# Allegro board LAUNCHXL-CC2640R2.brd (continued)
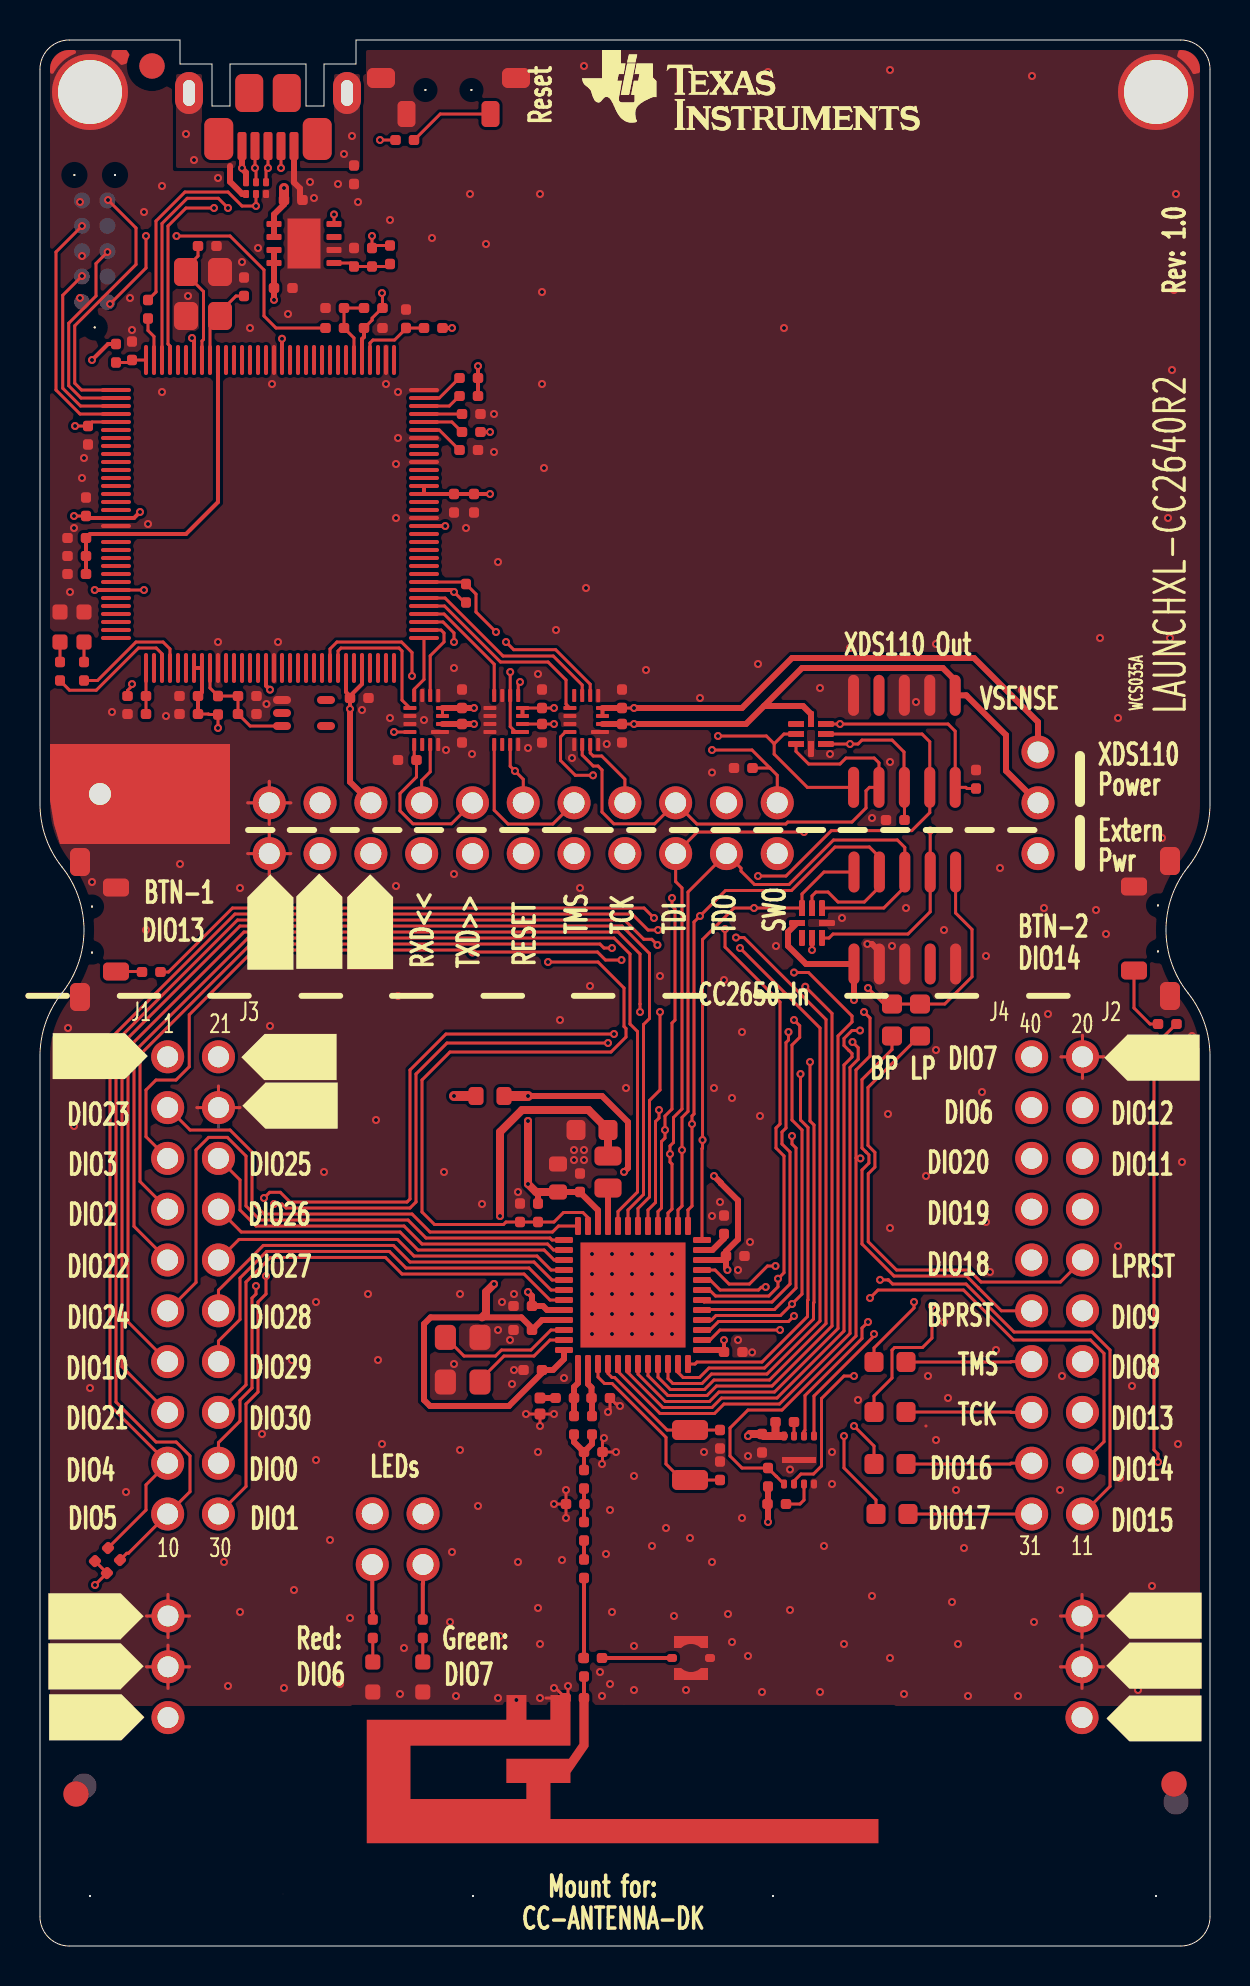
[diagram p0: board, top side]
## Nets
+5V: J1.2 P2.1 P4.20
GND: A1.2(GND_2) A1.3(GND_3) C3.2 C4.2 C5.2 C6.2 C7.2 C8.2 C9.2 C12.2 C13.1 C15.2 C16.2 C17.2 C18.2 C19.2 C20.2 C21.1 C30.2 C31.2 C32.2 C33.2 C34.2 C35.2 C36.2 C37.2 C38.2 C39.2 C40.2 C41.2 C42.2 C43.2 C44.2 C45.2 C46.2 C48.2 C49.2 C50.2 C52.2 C53.2 C54.2 C55.2 C56.2 C57.2 C59.2 CR1.1(C) CR2.1(C) CR4.1(C) CR5.1(C) CR6.3 CR7.4(GND) CR8.4(GND) J1.4 J2.2 J6.5(GND) MH3.1 MH4.1 MH5.1 P1.2 P1.3 P2.2 P2.3 P4.21 P4.22 P5.3 P5.5 P5.9 P7.3 P7.5 P7.9 P8.3(7) P8.5(8) P8.9(10) P11.2 P11.M1 P11.M2 R21.2 R24.2 R28.1 R29.2 R32.1 R34.1 R61.1 R62.1 R63.1 R65.1 SW1.1 SW1.2 SW1.3 SW2.1 SW2.2 SW2.4 SW3.1 SW3.2 SW3.4 U1.49(EGP/GND) U4.4(GND) U4.9(EGP) U5.10(GNDA) U5.17(GND#17) U5.48(GND#48) U5.55(GND#55) U5.58(GND#58) U5.64(NWAKE) U5.66(XOSC0) U5.80(GND#80) U5.114(GND#114) U6.1(ANODE) U7.6(GND) U7.9(GND/TAB) U8.1(1NOE) U8.5(2DIR) U8.7(1A2) U8.10(GND#10) U8.11(GND#11) U8.16(2NOE) U9.1(1NOE) U9.5(2DIR) U9.10(GND#10) U9.11(GND#11) U9.13(2B1) U9.16(2NOE) U10.7(1A2) U10.9(2A2) U10.10(GND#10) U10.11(GND#11) U10.12(2B2) U10.16(2NOE) Y2.2 Y2.4 Y3.2(GND) Y3.4(NC_4)
VDDC: C43.1 C44.1 C45.1 U5.87(VDDC#87) U5.115(VDDC#115)
VDDR: C8.1 C9.1 C16.1 L1.2 U1.45(VDDR) U1.48(VDDR_RF)
VDDS: C3.1 C4.1 C5.1 C6.1 C7.1 FL1.1 R1.2 U1.13(VDDS2) U1.22(VDDS3) U1.34(VDDS_DCDC) U1.44(VDDS)
BP_RESET: J2.11 R52.2
DCDC_SW: L1.1 U1.33(DCDC_SW)
DIO0: J1.18 U1.5(DIO_0)
DIO1: J1.20 U1.6(DIO_1)
DIO4_SCL: J1.17 R2.1 U1.9(DIO_4)
DIO5_SDA: J1.19 R3.1 U1.10(DIO_5)
DIO6_RLED: J2.3 P6.2 U1.11(DIO_6)
DIO7_GLED: J2.1 P6.4 U1.12(DIO_7)
DIO8_MISO: J2.14 U1.14(DIO_8) U4.2(SO/SIO1)
DIO9_MOSI: J2.12 U1.15(DIO_9) U4.5(SI/SIO0)
DIO10_SCLK: J1.13 U1.16(DIO_10) U4.6(SCLK)
DIO11_CS: J2.6 U1.17(DIO_11)
DIO12: J2.4 U1.18(DIO_12)
DIO13_BTN1: J2.16 R56.2 U1.19(DIO_13)
DIO14_BTN2: J2.18 R55.2 U1.20(DIO_14)
DIO15: J2.20 U1.21(DIO_15)
DIO16_TDO: CR8.5(IO4) P4.4 P5.6 R48.2 U1.26(DIO_16)
DIO17_TDI: CR8.3(IO3) P4.6 P5.8 R49.2 U1.27(DIO_17)
DIO19_CTS: J2.7 U1.29(DIO_19)
DIO20_FLASH_CS: J2.5 R11.1 U1.30(DIO_20) U4.1(NCS)
DIO21: J1.15 U1.31(DIO_21)
DIO22: J1.9 U1.32(DIO_22)
DIO23_ANALOG: J1.3 U1.36(DIO_23)
DIO24_ANALOG: J1.11 U1.37(DIO_24)
DIO25_ANALOG: J1.6 U1.38(DIO_25)
DIO26_ANALOG: J1.8 U1.39(DIO_26)
DIO27_ANALOG: J1.10 U1.40(DIO_27)
DIO28_ANALOG: J1.12 U1.41(DIO_28)
DIO29_ANALOG: J1.14 U1.42(DIO_29)
DIO30_ANALOG: J1.16 U1.43(DIO_30)
IRSTN: P8.10(5) R20.2
ITCK: P8.4(2) U5.100(PC0/TCK/SWCLK)
ITDI: P8.8(4) U5.98(PC2/TDI)
ITDO: P8.6(3) U5.97(PC3/TDO/SWO)
ITMS: P8.2(1) U5.99(PC1/TMS/SWDIO)
LP_RESET: J2.10 R51.1
USB_DM: CR6.5 J6.2(D-) U5.93(PL7/USB0DM)
USB_DP: CR6.4 J6.3(D+) U5.94(PL6/USB0DP)
USB_ID: CR6.2 J6.4(ID) R67.1
USB_VBUS: C48.1 CR6.6 J6.1(VCC) P4.19 R22.2 R66.1 U7.1(IN#1) U7.2(IN#2) U7.8(EN)
V-SENSE: C53.1 C55.1 C57.1 CR7.8(VCC) P7.1 P10.2 U8.2(VCCB) U9.2(VCCB) U10.2(VCCB)
WMCU_RESET: C20.1 CR8.2(IO2) P4.12 P5.10 R1.1 R51.2 R52.1 U1.35(RESET_N)
WMCU_RXD: J1.7 P4.16 U1.7(DIO_2)
WMCU_SWO: J2.9 P4.2 U1.28(DIO_18)
WMCU_TCK: CR8.6(IO5) P4.8 P5.4 R47.2 U1.25(JTAG_TCKC)
WMCU_TMS: CR8.7(IO6) P4.10 P5.2 R46.2 U1.24(JTAG_TMSC)
WMCU_TXD: J1.5 P4.14 U1.8(DIO_3)
WMCU_VDD: C30.1 CR8.8(VCC) FL1.2 J1.1 P1.1 P4.18 P5.1 P10.3 R2.2 R3.2 R11.2 R59.2 R60.2 U4.8(VCC)
XDS_RESET: R58.1 U5.40(PA6) U10.1(1NOE) U10.6(1A1)
XDS_RESET_LS: CR7.2(IO2) P4.11 P7.10 R57.2 U10.15(1B1)
XDS_RX: U5.33(PA0/U0RX) U8.8(2A1)
XDS_RX_LS: P4.13 R61.2 U8.13(2B1)
XDS_SWO: U5.25(PC4/C1-) U8.9(2A2)
XDS_SWO_LS: P4.1 R62.2 U8.12(2B2)
XDS_TCK: U5.35(PA2/SSI0CLK) U9.6(1A1)
XDS_TCK_LS: CR7.6(IO5) P4.7 P7.4 U9.15(1B1)
XDS_TDI: U5.38(PA5/SSI0XDAT1) U9.7(1A2)
XDS_TDI_LS: CR7.3(IO3) P4.5 P7.8 U9.14(1B2)
XDS_TDO: U5.37(PA4/SSI0XDAT0) U9.9(2A2)
XDS_TDO_LS: CR7.5(IO4) P4.3 P7.6 R63.2 U9.12(2B2)
XDS_TMS: U5.36(PA3/SSI0FSS) U10.8(2A1)
XDS_TMS_DIR: U5.24(PC5/C1+) U10.5(2DIR)
XDS_TMS_LS: CR7.7(IO6) P4.9 P7.2 R65.2 U10.13(2B1)
XDS_TX: U5.34(PA1/U0TX) U8.6(1A1)
XDS_TX_LS: P4.15 U8.15(1B1)
XDS_VCC: C35.1 C36.1 C37.1 C38.1 C39.1 C40.1 C41.1 C42.1 C47.1 C49.1 C52.1 C54.1 C56.1 P4.17 P8.1(6) P10.1 R17.2 R18.2 R27.1 R30.2 R31.2 R33.2 R39.1 R58.2 U5.7(VDD#7) U5.8(VDDA) U5.16(VDD#16) U5.26(VDD#26) U5.28(VDD#28) U5.39(VDD#39) U5.47(VDD#47) U5.51(VDD#51) U5.52(VDD#52) U5.69(VDD#69) U5.79(VDD#79) U5.90(VDD#90) U5.101(VDD#101) U5.113(VDD#113) U5.122(VDD#122) U7.3(OUT#3) U7.4(OUT#4) U8.3(VCCA) U8.4(1DIR) U9.3(VCCA) U9.4(1DIR) U10.3(VCCA) U10.4(1DIR)
N949215: R17.1 R20.1 R21.1 U5.70(NRST)
N949243: R30.1 U5.60(PK7)
N949263: C47.2 R33.1 R34.2 U7.5(FB)
N949375: R28.2 U5.59(RBIAS)
N949517: R22.1 R24.1 U5.1(PD0/AIN15)
N949687: C34.1 U5.89(OSC1) Y3.3
N949695: C33.1 U5.88(OSC0) Y3.1
N950083: C32.1 C50.1 R18.1 U5.9(VREFA+) U6.3(CATHODE)
N950235: R67.2 U5.95(PB0/USB0ID)
N951001: R39.2 U5.63(PK4)
N951013: R29.1 U5.61(PK6)
N951017: R27.2 U5.62(PK5)
N952443: C46.1 R31.1 U5.68(VBAT)
N1004371: R23.2 U5.3(PD2/AIN13)
N1004534: R25.2 U5.4(PD3/AIN12)
N1013277: U1.46(X24M_N) Y2.3
N1013851: C21.2 L21.1 U1.2(RF_N)
N1013859: C11.1 L11.1 U1.1(RF_P)
N1013883: C31.1 L11.2
N1013899: C11.2 C12.1 L12.1 L21.2
N1013927: C13.2 L12.2 L13.1
N1013977: A1.1(FEED_1) C15.1 C51.2
N1014081: C19.1 U1.23(DCOUPL)
N1014101: C17.1 U1.3(X32K_Q1) Y1.1
N1014113: C18.1 U1.4(X32K_Q2) Y1.2
N1014125: C24.1 C51.1 C58.2
N1014335: C24.2 L13.2
N1018937: U1.47(X24M_P) Y2.1
N1031635: CR6.1 J6.M1(SHIELD1) J6.M2(SHIELD2) R32.2
N1105722: CR1.2(A) R15.1
N1105771: CR2.2(A) R14.1
N1105824: P6.1 R14.2
N1106228: P6.3 R15.2
N1176544: J2.13 R46.1
N1176548: J2.15 R47.1
N1176568: J2.17 R48.1
N1177007: J2.19 R49.1
N1288065: R55.1 SW2.3
N1288098: R56.1 SW1.4
N1384129: R57.1 SW3.3
N1409884: R59.1 U4.3(NWP/SIO2)
N1409917: R60.1 U4.7(NRST/SIO3)
N1429173: C58.1 P11.1
N1432281: C59.1 R66.2 U5.96(PB1/USB0VBUS)
N10367920: CR5.2(A) R25.1
N10368080: CR4.2(A) R23.1

Pads without a net: CR7 1; CR8 1; FIDU1 1; FIDU2 1; FIDU3 1; FIDU4 1; FIDU5 1; FIDU6 1; J2 8; LBL2 1; P5 7; P7 7; P8 7; U5 2 5 6 11 12 13 14 15 18 19 20 21 22 23 27 29 30 31 32 41 42 43 44 45 46 49 50 53 54 56 57 65 67 71 72 73 74 75 76 77 78 81 82 83 84 85 86 91 92 102 103 104 105 106 107 108 109 110 111 112 116 117 118 119 120 121 123 124 125 126 127 128; U6 2 4 5; U7 7; U8 14; U9 8; U10 14

## Via types
v1: diameter 0.4, hole 0.2, TOP to BOTTOM, 384 vias
v2: diameter 0.5, hole 0.201, TOP to BOTTOM, 25 vias

## Routing (per net, layer and track width the routed paths; a pad name or vN(x,y) marks a point on that pad's centre or on a via; arc(x,y) is an arc through that point)
+5V: length 55.4
  L3 w0.5: P2.1 0.8,17.02 0.8,41.9 4.7,45.8 7.58,45.8 J1.2 14,49.54 P4.20
GND: length 128.5
  TOP w0.15: 44.29,26 44.3,26 ; J2.2 53.2,44.46 ; J2.2 52.12,43.38 ; J2.2 51.05,44.46 ; J2.2 52.12,45.54 ; 11.46,53.54 P4.22 ; P4.22 12.54,54.62 ; P4.22 11.46,55.7 ; P4.22 10.39,54.62 ; P1.2 52.1,15.04 ; P1.2 51.02,13.96 ; P1.2 52.1,12.88 ; P1.2 53.18,13.96 ; C12.2 28.12,25.2 ; C12.2 28.64,24.7 ; C12.2 28.12,24.2 ; 11.46,56.08 P4.21 ; P4.21 10.39,57.16 ; P4.21 12.54,57.16 ; P4.21 11.46,58.24 ; P1.3 53.18,16.5 ; P1.3 52.1,15.42 ; P1.3 51.02,16.5 ; P1.3 52.1,17.58 ; A1.2 26.12,12.4 ; 26.12,12.4 C15.2 ; 26.12,12.4 25.3,12.4 ; P2.2 7.48,13.96 ; P2.2 5.32,13.96 ; P2.2 6.4,15.04 ; P2.2 6.4,12.88 ; v1(26.4,13) 26.4,12.52 C15.2 ; P2.3 6.4,17.58 ; P2.3 5.32,16.5 ; P2.3 7.48,16.5 ; P2.3 6.4,15.42 ; C15.2 25.78,12.9 v1(25.7,12.9) ; v1(28.4,26.7) 28.5,26.8 C21.1 28.8,27.1 28.9,27.1 v1(29,27) ; J1.4 8.92,43 ; J1.4 10,41.92 ; J1.4 7.85,41.92 ; C13.1 26.3,22.6 ; C13.1 25.79,22.1 ; C13.1 v1(26.3,21.4) ; v1(24.3,26.6) C31.2 ; C31.2 25.52,26.6 ; C31.2 25,26.07
  TOP w0.3: 13,87.3 13,87.88 12.7,88.18 J6.5 ; P5.3 41.97,49.73 41.6,50.1 v1(41.37,50.1)
  L2 w0.15: J2.2 53.2,44.46 ; J2.2 51.05,44.46 ; J2.2 52.12,45.54 ; J2.2 52.12,43.38 ; 8.92,40.84 J1.4 ; J1.4 8.92,43 ; J1.4 7.85,41.92 ; J1.4 10,41.92 ; 5.32,13.96 P2.2 ; P2.2 6.4,15.04 ; P2.2 6.4,12.88 ; P2.2 7.48,13.96 ; 2.5,90.55 MH3.1 4.65,92.7 ; 53.65,92.7 MH4.1 55.8,90.55 ; 1.9,57.6 MH5.1 ; MH5.1 3,56.5 ; MH5.1 3,58.7 ; MH5.1 4.1,57.6 ; P4.22 12.54,54.62 ; P4.22 11.46,55.7 ; P4.22 10.39,54.62 ; P4.22 11.46,53.54 ; 52.1,15.42 P1.3 ; P1.3 52.1,17.58 ; P1.3 53.18,16.5 ; P1.3 51.02,16.5 ; 6.4,15.42 P2.3 ; P2.3 5.32,16.5 ; P2.3 6.4,17.58 ; P2.3 7.48,16.5 ; 52.1,12.88 P1.2 ; P1.2 53.18,13.96 ; P1.2 51.02,13.96 ; P1.2 52.1,15.04 ; P4.21 11.46,58.24 ; P4.21 10.39,57.16 ; P4.21 12.54,57.16 ; P4.21 11.46,56.08
  BOTTOM w0.15: 6.4,12.88 P2.2 ; P2.2 6.4,15.04 ; P2.2 7.48,13.96 ; P2.2 5.32,13.96 ; P1.2 53.18,13.96 ; P1.2 52.1,12.88 ; P1.2 52.1,15.04 ; P1.2 51.02,13.96 ; J2.2 53.2,44.46 ; J2.2 51.05,44.46 ; J2.2 52.12,45.54 ; J2.2 52.12,43.38 ; 52.1,15.42 P1.3 ; P1.3 53.18,16.5 ; P1.3 51.02,16.5 ; P1.3 52.1,17.58 ; P2.3 7.48,16.5 ; P2.3 6.4,17.58 ; P2.3 6.4,15.42 ; P2.3 5.32,16.5 ; 11.46,56.08 P4.21 ; P4.21 10.39,57.16 ; P4.21 12.54,57.16 ; P4.21 11.46,58.24 ; J1.4 10,41.92 ; J1.4 8.92,43 ; J1.4 7.85,41.92 ; J1.4 8.92,40.84 ; P4.22 12.54,54.62 ; P4.22 10.39,54.62 ; P4.22 11.46,55.7 ; P4.22 11.46,53.54
  vias: v1(1.4,45.9) v1(1.5,67.7) v1(1.7,70.9) v1(1.7,41) v1(2,87.2) v1(2.1,84.5) v1(2.1,73.4) v1(2.2,74.4) v1(2.5,27.9) v1(2.5,16.8) v1(2.6,53.2) v1(3.6,61.7) v1(4.3,22.7) v1(4.5,82.4) v1(4.6,80.8) v1(5.2,86.7) v1(5.3,50.8) v1(5.4,71.1) v1(6.1,88) v1(6.1,77.7) v1(6.3,61.5) v1(7,54.1) v1(7.4,82.5) v1(8.9,88.4) v1(8.9,65.2) v1(9.2,19.2) v1(9.4,13) v1(10,52.9) v1(10,16.7) v1(10.1,84.2) v1(10.5,80.9) v1(10.9,84.9) v1(11.1,25.6) v1(11.32,62.1) v1(11.5,46) v1(11.6,78.1) v1(11.9,65.2) v1(12.2,12.9) v1(12.4,81.6) v1(12.6,29.3) v1(12.7,17.8) v1(13.4,41.4) v1(13.5,88.2) v1(13.7,87.4) v1(13.8,32.2) v1(13.8,24.3) v1(14.2,38.7) v1(14.5,20.3) v1(14.9,88.1) v1(15,13.1) v1(15.5,16.4) v1(15.9,87.2) v1(16.1,61.8) v1(16.4,32.6) v1(16.8,41.3) v1(16.9,29.3) v1(17.1,25.1) v1(17.3,78.1) v1(17.5,86.3) v1(17.5,61.4) v1(17.8,74.1) v1(17.8,71.4) v1(17.8,53) v1(17.9,77.7) v1(17.9,75.4) v1(17.9,47.5) v1(18,12.6) v1(18.2,14.9) v1(19.2,61.3) v1(19.6,85.4) v1(20.2,38.7) v1(20.3,59.8) v1(20.5,16.2) v1(20.6,19.7) v1(20.7,63.9) v1(20.7,53.6) v1(20.7,29.1) v1(20.8,12.5) v1(21,32.6) v1(21,24.8) v1(21.3,70.9) v1(21.5,87.6) v1(21.6,59.6) v1(21.9,22) v1(22.1,37.1) v1(22.3,85.1) v1(22.7,76.6) v1(22.7,74.7) v1(22.9,69.2) v1(22.9,30.8) v1(22.9,12.4) v1(23,15.5) v1(23.1,32.2) v1(23.5,30.3) v1(23.6,28.1) v1(23.7,32.6) v1(23.7,28.8) v1(23.82,12.3) v1(23.9,37.7) v1(23.9,19.2) v1(24.4,59.9) v1(24.9,63.6) v1(24.9,24.7) v1(24.9,16.9) v1(25,87.6) v1(25,26) v1(25,15.1) v1(25,12.4) v1(25.1,82.7) v1(25.1,78.1) v1(25.2,73.9) v1(25.7,26.6) v1(25.7,22.1) v1(25.8,65.8) v1(26,46.3) v1(26.1,19.3) v1(26.2,28.4) v1(26.3,22.8) v1(26.6,59.4) v1(26.7,39.8) v1(26.7,39.3) v1(27,52.9) v1(27.2,94) v1(27.2,39.8) v1(27.2,39.3) v1(27.3,67.9) v1(27.5,48) v1(28,13.7) v1(28.1,24.1) v1(28.1,12.5) v1(28.2,25.4) v1(28.34,60.1) v1(28.3,19.6) v1(28.5,21.8) v1(28.5,13.1) v1(28.6,16.7) v1(28.8,24.7) v1(29.3,42.9) v1(29.7,23.5) v1(29.7,15) v1(29.7,12.8) v1(30.3,63.8) v1(30.6,20) v1(31,48.5) v1(31.3,20.9) v1(31.7,16.5) v1(32.3,12.8) v1(32.5,20.4) v1(33,62.4) v1(33.2,24.7) v1(33.6,58.68) v1(33.6,36.5) v1(33.6,19.2) v1(33.7,42.9) v1(34,37.2) v1(34.2,48.3) v1(34.4,16.6) v1(34.6,42.4) v1(34.6,15.2) v1(34.9,33.8) v1(34.9,30.3) v1(35.1,45.7) v1(35.1,21.4) v1(35.4,24.5) v1(35.4,14.5) v1(35.5,35.2) v1(35.6,29.68) v1(35.9,64.1) v1(36,41.5) v1(36.1,12.7) v1(36.4,93.7) v1(36.8,50) v1(37.2,80.9) v1(37.5,23.82) v1(37.5,16.8) v1(39,62.9) v1(39,12.7) v1(39.2,20) v1(39.5,59.6) v1(39.6,24.7) v1(39.6,23.1) v1(40.1,51.4) v1(40.2,15.1) v1(40.5,64.9) v1(40.9,27.3) v1(41.6,56.4) v1(41.6,17.5) v1(42.4,41.6) v1(42.5,93.8) v1(42.5,59.2) v1(42.5,35.9) v1(42.5,14.4) v1(42.6,50) v1(43.2,12.6) v1(43.3,51.9) v1(43.8,62.2) v1(44.3,38.5) v1(44.4,28.5) v1(44.8,65.1) v1(44.8,44.8) v1(44.8,25.3) v1(45.2,50.8) v1(45.2,31.2) v1(45.4,27.4) v1(45.6,17.2) v1(45.8,22.8) v1(45.9,15.1) v1(46.2,19.9) v1(46.4,12.5) v1(47.1,42.7) v1(47.3,49.5) v1(47.3,36.2) v1(47.5,33.7) v1(47.8,29.8) v1(48,53.9) v1(48.9,12.5) v1(49.1,62.8) v1(49.6,93.5) v1(49.7,16.2) v1(50.2,51.9) v1(50.4,46.6) v1(51,22.8) v1(51.1,28.5) v1(52.8,51.8) v1(53,65.4) v1(53.3,50.6) v1(53.9,61.4) v1(53.9,35) v1(54,23.4) v1(54.6,28) v1(54.9,12.8) v1(55.6,18) v1(56.1,55.4) v1(56.4,71.4) v1(56.5,65.4) v1(56.6,78.8) v1(56.7,82.8) v1(56.8,87.6) v1(56.9,25.1) v1(57.1,39.2) v1(57.6,45.5) v2(27.6,34.6) v2(27.6,33.6) v2(27.6,32.6) v2(27.6,31.6) v2(27.6,30.6) v2(28.6,34.6) v2(28.6,33.6) v2(28.6,32.6) v2(28.6,31.6) v2(28.6,30.6) v2(29.6,34.6) v2(29.6,33.6) v2(29.6,32.6) v2(29.6,31.6) v2(29.6,30.6) v2(30.6,34.6) v2(30.6,33.6) v2(30.6,32.6) v2(30.6,31.6) v2(30.6,30.6) v2(31.6,34.6) v2(31.6,33.6) v2(31.6,32.6) v2(31.6,31.6) v2(31.6,30.6)
VDDC: length 16.2
  TOP w0.2: C45.1 C44.1 C43.1 2.5,70.6 U5.115 7.3,70.6 8.9,72.2 U5.87
VDDR: length 37.3
  TOP w0.3: U1.48 26.2,29.35 25.65,28.8 C9.1 25.1,28.65 23.45,27 19.5,27 19.2,27.3 19.2,31.1 19.53,31.43 24.07,31.43 24.6,30.9 C16.1 25.1,31.3 U1.45
  TOP w0.4: 22.1,31.43 22.3,31.63 22.3,32.7 v1(22.7,33.1) ; v1(23,36.5) 23,40.7 24.1,41.8 27.43,41.8 28.4,40.82 C8.1 L1.2
  L3 w0.4: v1(22.7,33.1) 22.7,35.67 23,35.97 v1(23,36.5)
VDDS: length 43.8
  TOP w0.2: v1(34.2,30.3) C3.1
  TOP w0.3: C3.1 34.1,29.8 U1.13 ; C6.1 C7.1 27,37.69 27.9,36.79 U1.34 ; 24.8,37.7 24.9,37.6 R1.2 24.9,37 ; U1.22 34.1,34.3 C4.1 ; C4.1 34.3,33.9 34.37,33.83 v1(34.37,33.8) ; C4.1 34.3,34.73 34.9,35.33 34.9,37.28 34.04,38.14 34.04,38.16 v1(33.7,38.5) ; v1(24.4,32.7) 24.6,32.5 C5.1 25.15,32 25.35,31.8 U1.44 ; v1(24.4,42.5) 28.1,42.5 29.4,41.2 29.4,38.9 v1(29.2,38.7)
  TOP w0.4: v1(24.4,41.25) v1(24.4,38.1) 24.8,37.7 C6.1
  TOP w0.5: FL1.1 v1(24.4,42.5)
  L3 w0.2: v1(34.37,33.8) 34.37,33.34 34.2,33.17 v1(34.2,30.3)
  L3 w0.3: v1(24.4,32.7) v1(24.4,38.1) ; v1(33.7,38.5) 29.88,38.5 29.68,38.7 v1(29.2,38.7)
  L3 w0.4: v1(24.4,41.25) v1(24.4,42.5)
BP_RESET: length 21.2
  TOP w0.15: J2.11 48.07,31.76 46.93,32.9 46.93,32.9 46.32,33.5 42.7,33.5 41.1,35.1 41.1,38.8 41.44,39.15 41.44,39.56 41.3,39.7 41.3,39.7 41.1,39.9 41.1,43.32 42.6,44.82 R52.2
DCDC_SW: length 1.9
  TOP w0.3: U1.33 L1.1
DIO0: length 80.7
  TOP w0.15: v1(40.62,45.2) 40.91,44.91 40.91,44.34 40.5,43.93 40.5,30.62 36.97,27.1 34.2,27.1 33.72,26.62 31,26.62 28.9,28.72 U1.5 ; v1(11.2,37.4) 11.49,37.69 12.01,37.69 12.5,37.2 18.35,37.2 18.5,37.35 18.5,43.8 20.3,45.6 v1(28.7,45.6) ; J1.18 8.92,25.17 10,26.25 10,27.3 10.6,27.9 10.6,32.4 10.8,32.6 v1(10.8,33)
  L3 w0.15: v1(11.2,37.4) 10.8,37 v1(10.8,33) ; v1(28.7,45.6) 29.1,45.6 29.5,45.2 v1(40.62,45.2)
DIO1: length 84.2
  TOP w0.15: v1(28.4,45.15) 20.35,45.15 18.8,43.6 18.8,37.2 18.5,36.9 12.3,36.9 12.1,37.1 v1(11.7,37.1) ; v1(11.3,33.5) 11.3,32.6 10.9,32.2 10.9,27.7 10.3,27.1 10.3,22.98 J1.20 ; U1.6 29.4,28.67 31.14,26.93 33.6,26.93 34.07,27.4 36.85,27.4 40.2,30.75 40.2,44.05 40.6,44.45 40.6,44.62 40.45,44.78 40.45,44.78 40.2,45.02 40.2,45.38 40.6,45.78 v1(41,45.78)
  L3 w0.15: v1(28.4,45.15) 28.95,45.15 29.4,44.7 41,44.7 41.28,44.99 41.28,45.49 v1(41,45.78) ; v1(11.7,37.1) 11.3,36.7 v1(11.3,33.5)
DIO4_SCL: length 94.5
  TOP w0.15: v1(34.8,50.42) 35.2,50.42 39.3,46.32 39.3,31.12 36.47,28.3 33.7,28.3 33.22,27.82 31.52,27.82 30.9,28.44 U1.9 ; R2.1 5.3,21.8 5.3,23.06 J1.17 3.5,27.02 3.5,45.1 3.5,45.35 9.75,51.6 29.6,51.6 30.4,50.8 v1(30.9,50.8)
  L3 w0.15: v1(34.8,50.42) 31.08,50.42 30.9,50.6 v1(30.9,50.8)
DIO5_SDA: length 93.9
  TOP w0.15: U1.10 31.4,28.37 31.64,28.12 33.1,28.12 33.57,28.6 36.35,28.6 39,31.25 39,45.9 v1(35,49.9) ; v1(30.87,50.05) 30.59,50.34 30.19,50.34 29.22,51.3 9.88,51.3 3.8,45.22 3.8,27.2 5.8,25.2 6.81,25.2 7.5,24.51 7.5,22.72 J1.19 4.42,19.64 4.34,19.64 R3.1
  L3 w0.15: v1(35,49.9) 31.42,49.9 31.27,50.05 v1(30.87,50.05)
DIO6_RLED: length 78.6
  TOP w0.15: U1.11 31.9,28.68 32.16,28.43 32.97,28.43 33.45,28.9 36.22,28.9 38.68,31.35 38.68,32.15 38.7,32.18 38.7,41.05 38.5,41.25 v1(38.5,44.2)
  L3 w0.15: J2.3 50.63,42.97 50.63,44.97 50,45.6 49.2,45.6 47.8,44.2 v1(38.5,44.2) 23.1,44.2 18.85,39.95 18.85,23.85 P6.2
DIO7_GLED: length 70
  TOP w0.15: v1(38.03,43.6) 38.03,41.3 38.4,40.93 38.4,32.3 38.38,32.28 38.38,31.47 36.1,29.2 32.85,29.2 32.75,29.1 U1.12
  L3 w0.15: J2.1 48.72,43.6 v1(38.03,43.6) 37.74,43.88 23.28,43.88 19.15,39.75 P6.4
DIO8_MISO: length 28.9
  TOP w0.15: U4.2 37.7,23.25 38.05,23.6 38.68,23.6 39.07,24 39.07,27.38 40.2,28.5 v1(40.7,28.5) ; U1.14 33.5,30.3 34,30.8 v1(37,30.8)
  L3 w0.15: J2.14 52.12,28.19 51.83,27.9 41.2,27.9 40.99,28.12 40.99,28.22 v1(40.7,28.5) 38.4,30.8 v1(37,30.8)
DIO9_MOSI: length 26.5
  TOP w0.15: v1(41.7,30.6) 41.7,30.5 38.7,27.5 U4.5 ; v1(37.7,31.5) 37.43,31.22 33.93,31.22 33.5,30.8 U1.15
  L3 w0.15: J2.12 50.96,30.6 v1(41.7,30.6) 41.2,30.6 40.3,31.5 v1(37.7,31.5)
DIO10_SCLK: length 86.7
  TOP w0.15: v1(30,46.7) 30,47.1 30,47.1 30,49.6 28.9,50.7 10.2,50.7 4.4,44.9 4.4,31.2 J1.13 ; U4.6 38.2,25.74 38.25,25.79 38.25,27.53 41.1,30.38 41.1,30.9 v1(41.4,31.2) ; v1(37.7,46.3) 37.99,46.01 37.99,45.43 37.6,45.05 37.6,41.3 38.1,40.8 38.1,32.6 v1(37.6,32.1) 37.03,31.53 33.8,31.53 33.57,31.3 U1.16
  L3 w0.15: v1(41.4,31.2) 40.5,32.1 38,32.1 v1(37.6,32.1) ; v1(30,46.7) 30.29,46.41 30.29,46.41 30.5,46.2 37.2,46.2 37.3,46.3 v1(37.7,46.3)
DIO11_CS: length 27.8
  TOP w0.15: v1(37.6,40.5) 37.6,40.1 37.8,39.9 37.8,32.9 36.72,31.82 33.12,31.82 U1.17
  L3 w0.15: J2.6 51,40.5 v1(37.6,40.5)
DIO12: length 35.7
  TOP w0.15: U1.18 33.2,32.2 36.6,32.2 37.5,33.1 37.5,39.7 37.1,40.1 37.1,40.7 37.3,40.9 37.3,45.17 37.43,45.3 v1(37.43,45.7)
  L3 w0.15: v1(37.43,45.7) 40.1,45.7 40.6,46.2 41.7,46.2 42,45.9 50.3,45.9 50.93,45.27 50.93,43.11 J2.4
DIO13_BTN1: length 78.4
  TOP w0.15: v1(30.7,51.4) 30.2,51.9 9.62,51.9 6.43,48.7 R56.2 5.9,48.7 ; v1(34.25,50.85) 34.25,49.95 37,47.2 37,41.1 36.8,40.9 36.8,39.9 37.2,39.5 37.2,33.66 v1(36.9,33.36) 36.9,32.96 36.44,32.5 33.78,32.5 33.47,32.8 U1.19
  L3 w0.15: J2.16 53.8,28.36 53.8,32.1 53,32.9 47.4,32.9 46.08,31.58 45.43,31.58 45.38,31.62 45.02,31.62 44.97,31.58 43.72,31.58 42.42,32.88 41.82,32.88 41.34,33.36 v1(36.9,33.36) ; v1(34.25,50.85) 33.38,50.85 33.3,50.78 31.57,50.78 30.95,51.4 v1(30.7,51.4)
DIO14_BTN2: length 54.3
  TOP w0.15: v1(55.9,24.2) 55.9,24.6 55.7,24.8 55.7,44.99 56.81,46.1 R55.2 ; U1.20 33.51,33.3 34.01,32.8 35.93,32.8 36.06,32.94 36.3,32.94 36.3,32.95 v1(36.29,32.95) ; J2.18 53.2,25.22 53.2,29.63 52.53,30.3 48.68,30.3 46.18,32.8 41.9,32.8 v1(41.5,32.4)
  L3 w0.15: v1(41.5,32.4) 41.1,32.8 36.84,32.8 36.69,32.95 v1(36.29,32.95) ; J2.18 55.44,24.14 55.5,24.2 v1(55.9,24.2)
DIO15: length 31.6
  TOP w0.15: v1(42,33.31) 42.4,33.31 42.41,33.3 42.43,33.3 42.63,33.1 46.3,33.1 48.7,30.7 52.6,30.7 53.5,29.8 53.5,22.98 J2.20 ; v1(36.78,34) 36.37,34 35.47,33.1 34.45,33.1 33.75,33.8 U1.21
  L3 w0.15: v1(36.78,34) 40.87,34 40.9,34.03 41.27,34.03 41.71,33.59 41.72,33.59 v1(42,33.31)
DIO16_TDO: length 58.2
  TOP w0.15: v1(40.7,26) 41.7,25 R48.2 ; CR8.5 42.19,51.9 43.24,52.95 P5.6 43.24,54.93 42.87,55.3 39.68,55.3 37.45,53.07 35.72,53.07 35.05,53.75 35.05,53.89 P4.4 32.4,52.7 32.4,41.73 32.1,41.43 v1(32.1,39.8) 32.1,37 31.9,36.8 U1.26
  L3 w0.15: v1(32.1,39.8) 33.43,39.8 36.5,36.73 36.5,34.37 35.5,33.37 35.5,31.6 40.7,26.4 v1(40.7,26)
DIO17_TDI: length 66.4
  TOP w0.15: v1(44.51,55.78) P5.8 44.51,51.71 43.4,50.6 39.65,50.6 39.45,50.4 CR8.3 ; R49.2 41.8,22.3 40.2,23.9 v1(40.2,25.5) ; v1(38.2,55.7) 32.86,55.7 P4.6 31.78,53.22 32.1,52.9 32.1,41.85 31.68,41.43 31.68,40.18 31.5,40 v1(31.5,39.6) 31.5,39.2 31.6,39.1 31.6,36.85 31.4,36.65 U1.27
  L3 w0.15: v1(44.51,55.78) 39.8,55.78 39.72,55.7 v1(38.2,55.7) ; v1(31.5,39.6) 32.18,38.93 33.88,38.93 36,36.8 36,34.3 35.1,33.4 35.1,31.3 40.2,26.2 v1(40.2,25.5)
DIO19_CTS: length 27
  TOP w0.15: v1(30.95,41.8) 30.95,41.4 30.78,41.22 30.78,37.18 30.4,36.8 U1.29
  L3 w0.15: J2.7 38.86,36.84 33.62,42.09 31.24,42.09 v1(30.95,41.8)
DIO20_FLASH_CS: length 59.7
  TOP w0.15: 40.8,39.4 40.8,30.5 37.1,26.8 35.4,26.8 34.5,25.9 34.5,24.5 35.1,23.9 R11.1 36.4,23.9 36.81,23.48 36.82,23.48 U4.1 ; 40.8,39.4 40.82,39.38 v1(41.02,39.38) ; 40.8,39.4 40.8,43.8 41.5,44.5 41.5,46.4 v1(41.2,46.7) ; U1.30 29.9,36.88 30.47,37.45 30.47,42.28 31,42.8 v1(31,46.7)
  L3 w0.15: v1(41.2,46.7) 37.9,46.7 37.88,46.72 31.43,46.72 31.4,46.7 v1(31,46.7) ; J2.5 v1(41.02,39.38)
DIO21: length 62.8
  TOP w0.15: J1.15 4.1,28.96 4.1,45.1 10,51 29.1,51 30.47,49.62 30.47,46.38 30.18,46.07 30.18,37.57 29.4,36.8 U1.31
DIO22: length 52.7
  TOP w0.15: U1.32 28.9,36.72 29.88,37.7 29.88,45.72 29.5,46.1 29.5,49.6 28.7,50.4 10.4,50.4 4.7,44.7 4.7,35.98 J1.9
DIO23_ANALOG: length 24.7
  TOP w0.15: J1.3 7.5,40.8 9.5,40.8 10.6,39.7 10.6,37.2 11.2,36.6 18.6,36.6 19.5,35.7 25.62,35.7 25.93,36 U1.36
DIO24_ANALOG: length 30.9
  TOP w0.15: U1.37 25.6,35.3 25.5,35.4 19.3,35.4 18.4,36.3 11,36.3 10.3,37 10.3,39.5 9.37,40.43 8.43,40.43 7.8,39.8 7.8,33.18 J1.11
DIO25_ANALOG: length 20.1
  TOP w0.15: J1.6 10,38.3 10,36.8 10.8,36 18.2,36 19.1,35.1 25.38,35.1 25.68,34.8 U1.38
DIO26_ANALOG: length 18.3
  TOP w0.15: J1.8 10.06,35.7 18,35.7 18.9,34.8 25.21,34.8 25.71,34.3 U1.39
DIO27_ANALOG: length 18.3
  TOP w0.15: U1.40 25.55,33.8 24.85,34.5 18.7,34.5 17.87,35.33 9.95,35.33 J1.10
DIO28_ANALOG: length 19.9
  TOP w0.15: U1.41 25.6,33.3 24.7,34.2 18.5,34.2 17.67,35.03 11.16,35.03 8.92,32.79 J1.12
DIO29_ANALOG: length 22.2
  TOP w0.15: U1.42 25.55,32.8 24.45,33.9 18.3,33.9 17.47,34.73 11.33,34.73 10,33.4 10,31.32 8.92,30.25 J1.14
DIO30_ANALOG: length 24.4
  TOP w0.15: J1.16 10.3,28.06 10.3,33.2 11.53,34.43 17.27,34.43 18.1,33.6 24.2,33.6 25.5,32.3 U1.43
IRSTN: length 16.5
  TOP w0.15: v1(6.82,85.5) 9.5,85.5 11.2,83.8 11.2,81.5 11.8,80.9 R20.2 14.4,80.9 ; v1(3.5,82.1) 5.3,83.9 v1(5.3,85.5)
  L3 w0.15: v1(5.3,85.5) v1(6.82,85.5)
ITCK: length 12.2
  TOP w0.15: v1(2.1,86) 0.8,84.7 0.8,77.8 2,76.6 U5.100
ITDI: length 10.1
  TOP w0.15: U5.98 2.05,77.4 1.44,78.01 1.44,81.14 2.8,82.5 2.8,84.12 v1(3.38,84.7)
ITDO: length 13.2
  TOP w0.15: U5.97 2.08,77.8 1.74,78.14 1.74,81.01 4.8,84.08 4.8,85.9 v1(3.4,87.3)
ITMS: length 9
  TOP w0.15: v1(2.1,83.5) 1.14,82.54 1.14,77.89 2.03,77 3.8,77
LP_RESET: length 23.7
  TOP w0.15: R51.1 43.97,45.5 41.4,42.93 41.4,40.03 41.75,39.68 41.75,38.94 41.41,38.61 41.41,35.21 42.83,33.8 46.45,33.8 47.05,33.2 51.02,33.2 J2.10
USB_DM: length 14.1
  TOP w0.15: CR6.5 10.8,88.85 v1(10.75,88.9) J6.2 ; v1(8.7,86.9) 7.3,86.9 6.4,86 6.4,80.1 6.5,80 U5.93
  L3 w0.15: v1(10.75,88.9) 10.75,88.88 9.06,87.19 8.99,87.19 v1(8.7,86.9)
USB_DP: length 15.5
  TOP w0.15: v1(9.4,86.9) 8.91,87.38 7.36,87.38 6.1,86.12 U5.94 ; 11.3,88.19 11.3,88.8 v1(11.4,88.9) J6.3
  L3 w0.15: v1(9.4,86.9) v1(11.4,88.9)
USB_ID: length 14.1
  TOP w0.15: CR6.2 v1(10.8,87) 10.1,87 9.4,87.7 7.25,87.7 5.8,86.25 5.8,82.7 R67.1 ; J6.4 v1(12.05,88.9)
  L3 w0.15: v1(10.8,87) 10.8,87.65 v1(12.05,88.9)
USB_VBUS: length 55.4
  TOP w0.15: U7.8 v1(14.7,86.58) ; R22.2 4.38,62.78 4.6,63 v1(4.6,63.1)
  TOP w0.2: v1(2.6,79.3) 3.4,80.1 R66.1
  TOP w0.3: CR6.6 10.3,88.67 10.1,88.87 v1(10.1,88.9) J6.1 ; U7.2 U7.1 11.7,86.58 12.2,87.08 C48.1
  TOP w0.5: v1(12.2,87.9) C48.1
  L3 w0.5: 0.75,79.4 0.75,84.24 1.85,85.34 3.24,85.34 4,86.1 11.22,86.1 ; 0.75,79.4 0.85,79.3 v1(2.6,79.3) ; 0.75,79.4 0.75,66.95 v1(4.6,63.1) 4.6,62.35 8.57,58.38 12.78,58.38 P4.19
V-SENSE: length 41.2
  TOP w0.15: U10.2 C55.1 v1(25.7,61.1) ; v1(29.7,61.1) C57.1
  TOP w0.3: v1(21.7,61.1) C53.1 U8.2 ; 36.2,62 38.1,63.9 45.14,63.9 45.76,63.28 P7.1 46.31,62.53 48.3,60.55 48.3,58.76 P10.2 ; 36.2,62 35.3,61.1 v1(29.7,61.1) ; 36.2,62 38.15,62 38.55,61.6 CR7.8 ; C57.1 U9.2
  L3 w0.3: v1(21.7,61.1) v1(25.7,61.1) 26.99,61.1 27.09,61 27.5,61 27.6,61.1 v1(29.7,61.1)
WMCU_RESET: length 69.8
  TOP w0.15: v1(41.4,47.9) 42.2,47.1 R52.1 R51.2 45.24,47.1 46.6,48.46 46.6,50.83 45.78,51.65 P5.10 ; CR8.2 v1(38.6,49.8) ; U1.35 27.4,36.42 27.14,36.68 26.18,36.68 25.7,36.2 R1.1 C20.1 23.3,36.2 23.18,36.07 19.72,36.07 19.1,36.7 19.1,43.3 20.5,44.7 28.55,44.7 29.3,45.45 29.3,45.88 29.2,45.97 29.2,47.9 27.9,49.2 v1(25.4,49.2)
  L3 w0.15: v1(41.4,47.9) 39.5,49.8 v1(38.6,49.8) 37.2,49.8 36.98,49.57 35.28,49.57 35.18,49.47 30.05,49.47 29.2,50.32 26.53,50.32 v1(25.4,49.2) 25.4,53.38 P4.12
WMCU_RXD: length 92
  TOP w0.15: v1(37.7,48.67) 38.43,48.67 40.6,46.5 40.6,46.2 39.9,45.5 39.9,30.88 36.72,27.7 33.95,27.7 33.47,27.22 31.27,27.22 29.9,28.59 U1.7 ; v1(28.6,49.9) 28.2,49.9 28,50.1 10.54,50.1 5,44.56 5,38.22 J1.7
  L3 w0.15: P4.16 20.26,55.8 22.4,55.8 22.9,55.3 22.9,51.1 25.22,48.78 27.47,48.78 v1(28.6,49.9) 29,49.9 29,49.9 29.2,49.9 29.93,49.18 35.3,49.18 35.31,49.19 37.19,49.19 v1(37.7,48.67)
WMCU_SWO: length 45.8
  TOP w0.15: v1(31.6,52.4) 31.6,52 31.75,51.85 31.75,46.3 31.6,46.15 31.6,41.85 31.25,41.5 v1(31.25,40.8) 31.25,40.4 31.07,40.22 31.07,36.9 30.9,36.72 U1.28
  L3 w0.15: J2.9 43.85,34.3 42.93,35.23 42.93,36.08 42.5,36.5 38.6,36.5 33.57,41.53 31.97,41.53 v1(31.25,40.8) ; P4.2 36.86,53.86 35.1,52.1 31.9,52.1 v1(31.6,52.4)
WMCU_TCK: length 61.6
  TOP w0.15: CR8.6 38.6,52.5 38.8,52.7 39.4,52.7 39.9,52.2 41.22,52.2 41.97,52.95 P5.4 41.97,54.45 41.47,54.95 39.75,54.95 37.57,52.78 34.28,52.78 v1(33,51.5) 32.7,51.2 32.7,41.6 32.6,41.5 v1(32.6,41.1) 32.6,37 32.4,36.8 U1.25 ; R47.2 41.7,27.5 42.6,28.4 42.6,29.79 42.73,29.93 44.13,29.93 44.6,30.4 v1(44.6,32)
  L3 w0.15: v1(32.6,41.1) 33.5,41.1 39.4,35.2 42.5,35.2 44.6,33.1 v1(44.6,32) ; v1(33,51.5) 31.7,51.5 29.97,53.23 29.97,53.89 P4.8
WMCU_TMS: length 54.1
  TOP w0.15: R46.2 41.7,29.9 43.7,31.9 v1(43.7,32.2) ; P5.2 39.2,53.7 38.1,52.6 CR8.7 v1(35.7,51.9) 34.7,51.9 33.13,50.32 v1(33.13,40.3) 33.13,39.9 33.1,39.87 U1.24
  L3 w0.15: v1(43.7,32.2) 43.7,33.4 42.3,34.8 38.35,34.8 38.2,34.95 38.2,35.63 33.53,40.3 v1(33.13,40.3) ; P4.10 27.75,53.57 29.2,53.57 31.7,51.07 33.18,51.07 33.38,51.27 35.07,51.27 v1(35.7,51.9)
WMCU_TXD: length 76.8
  TOP w0.15: v1(38.26,47.96) 39.6,46.63 39.6,31 36.6,28 33.82,28 33.35,27.53 31.39,27.53 30.4,28.52 U1.8 ; v1(29.07,49.3) 28.27,49.3 27.87,49.7 21.7,49.7 21.62,49.78 ; J1.5 5.3,40.46 5.3,42.8 5.8,43.3 6.8,43.3 7.46,43.96 7.46,46.56 10.7,49.8 21.6,49.8 21.62,49.78 ; 21.62,49.78 v1(21.62,49.68)
  L3 w0.15: P4.14 v1(21.62,49.68) ; v1(29.07,49.3) 30.3,48.07 31.18,48.07 31.9,48.8 36.5,48.8 37.34,47.96 v1(38.26,47.96)
WMCU_VDD: length 179.4
  TOP w0.15: 2.75,19.25 3.35,18.65 v1(2.75,18.05)
  TOP w0.3: CR8.8 37.4,50.7 37.4,50 38.3,49.1 P5.1 v1(40.7,47.3) ; v1(36.4,21.2) 36.4,22.08 R59.2 36.4,22.12 R11.2
  TOP w0.4: 36.8,25.5 36.2,25.5 C30.1 35.5,25.6 v1(35.4,25.5) ; 36.8,25.5 36.78,25.52 R60.2 ; 36.8,25.5 U4.8
  TOP w0.5: v1(20.7,42.5) FL1.2
  L3 w0.3: v1(35.4,25.5) 38.02,25.5 40.56,22.96 ; v1(36.4,21.2) 38.8,21.2 40.56,22.96 ; P1.1 40.56,22.96
  L3 w0.5: 46.1,47.3 48.5,49.7 48.5,53.22 P10.3 ; 46.1,47.3 51.9,47.3 57.75,41.45 57.75,17.07 P1.1 ; 46.1,47.3 v1(40.7,47.3) 25.5,47.3 v1(20.7,42.5) 18.89,42.5 18.19,43.2 16.7,43.2 ; v1(2.75,18.05) 1.9,18.9 1.9,39.98 J1.1 7.64,43.2 16.7,43.2 ; P4.18 16.54,43.36 16.7,43.2
XDS_RESET: length 11.4
  TOP w0.15: U5.40 21.2,68.2 R58.1 21.3,68.1 21.8,67.6 21.8,66.7 v1(22.8,65.7) ; U10.1 23.78,60.7 23.51,60.97 U10.6 v1(23.51,63.7)
  L3 w0.15: v1(23.51,63.7) 23.79,63.99 23.79,65.4 23.5,65.7 v1(22.8,65.7)
XDS_RESET_LS: length 66.7
  TOP w0.15: v1(17,90.3) R57.2 ; 36.71,60.11 36.71,59.59 38.37,57.93 40.68,57.93 ; 36.71,60.11 36.32,60.5 v1(33.9,60.5) ; 36.71,60.11 37.2,60.6 CR7.2 ; P4.11 24.16,58.34 v1(23.75,58.75) 23.51,58.99 U10.15
  L3 w0.15: 33.5,60.5 33.47,60.52 27.12,60.52 25.35,58.75 v1(23.75,58.75) ; 33.5,60.5 30.45,60.5 30.3,60.65 30.3,62 27.7,64.6 24.35,64.6 24.2,64.75 24.2,86.5 20.4,90.3 v1(17,90.3) ; 33.5,60.5 v1(33.9,60.5)
XDS_RX: length 3.1
  TOP w0.15: U8.8 18.71,62.84 19.2,63.33 U5.33
XDS_RX_LS: length 8
  TOP w0.15: U8.13 18.71,59.41 R61.2 18.82,58.45 18,57.62 18,56.76 18.65,56.11 20.57,56.11 P4.13
XDS_SWO: length 7.2
  TOP w0.15: U5.25 14.9,64.75 15.05,64.9 17.95,64.9 18.1,64.75 18.1,62.3 U8.9
XDS_SWO_LS: length 25.3
  TOP w0.15: 36.5,58.9 35.6,59.8 v1(33.6,59.8) ; 36.5,58.9 R62.2 35.5,58.9 ; 36.5,58.9 36.86,58.54 P4.1 ; U8.12 v1(17.7,60.7)
  L3 w0.15: v1(17.7,60.7) 17.7,59.4 18.89,58.21 26.21,58.21 27.5,59.5 32.9,59.5 33.2,59.8 v1(33.6,59.8)
XDS_TCK: length 10.4
  TOP w0.15: U5.35 20.15,66.2 20.7,65.65 v1(20.7,65.2) ; v1(23.3,65.2) 23.69,64.81 25.78,64.81 27.51,63.09 U9.6
  L3 w0.15: v1(23.3,65.2) v1(20.7,65.2)
XDS_TCK_LS: length 31.7
  TOP w0.15: P4.7 29.24,58.34 28.09,59.5 27.66,59.5 27.51,59.65 U9.15 ; CR7.6 44.1,60.6 44.49,60.21 P7.4 44.49,56.67 43.59,55.77 39.57,55.77 37.3,53.5 v1(35.9,53.5)
  L3 w0.15: P4.7 30.73,55.67 35.23,55.67 35.62,55.28 35.62,53.78 v1(35.9,53.5)
XDS_TDI: length 10.2
  TOP w0.15: U5.38 20.25,67.4 23.15,64.5 25.66,64.5 27.11,63.05 U9.7
XDS_TDI_LS: length 26.4
  TOP w0.15: U9.14 27.11,59.55 27.66,59 27.9,59 28.1,58.8 28.1,56.7 28.69,56.11 30.73,56.11 P4.5 32.84,56.1 37.29,56.1 37.39,56.2 40.6,56.2 41.3,56.9 41.3,57.76 41.47,57.93 P7.8 41.95,59.16 41.71,59.4 40.3,59.4 40,59.1 38.43,59.1 37.8,59.73 CR7.3
XDS_TDO: length 10.1
  TOP w0.15: U9.9 26.3,62.1 26.3,63.3 25.4,64.2 23.03,64.2 20.23,67 19.2,67
XDS_TDO_LS: length 26.2
  TOP w0.15: v1(27.65,58.53) 26.77,58.53 26.03,59.27 26.03,60.46 26.27,60.7 U9.12 ; R63.2 43.22,57.93 P7.6 43.2,57.95 43.2,59.7 42.6,60.3 41.1,60.3 40.9,60.1 v1(40.5,60.1) CR7.5
  L3 w0.15: v1(27.65,58.53) 32.95,58.53 P4.3 35.86,58.7 39.5,58.7 40.5,59.7 v1(40.5,60.1)
XDS_TMS: length 6.1
  TOP w0.15: U5.36 20.2,66.6 22.71,64.09 U10.8
XDS_TMS_DIR: length 12.8
  TOP w0.15: U10.5 23.91,63.11 v1(24,63.2) ; U5.24 14.5,64.85 14.85,65.2 18.07,65.2 18.6,64.68 v1(18.6,63.5)
  L3 w0.15: v1(24,63.2) 18.9,63.2 v1(18.6,63.5)
XDS_TMS_LS: length 34
  TOP w0.15: U10.13 22.71,56.79 23.4,56.1 25.64,56.1 P4.9 ; CR7.7 v1(40,61.1) 45.4,61.1 45.76,60.74 P7.2 46.29,57.93 46.35,57.88 R65.2
  L3 w0.15: P4.9 26.7,58.19 27.62,59.1 33.8,59.1 34.07,59.38 35.8,61.1 v1(40,61.1)
XDS_TX: length 4.5
  TOP w0.15: U8.6 19.51,64.51 20.2,65.2 20.2,65.65 20.05,65.8 U5.34
XDS_TX_LS: length 3.1
  TOP w0.15: U8.15 19.51,58.71 19.08,58.28 P4.15
XDS_VCC: length 87.6
  TOP w0.15: v1(1.75,76) C37.1 2.6,76.2 U5.101 ; R33.2 16.72,85.02 C47.1 v1(16.6,85.5) ; v1(1.7,71.5) C36.1 ; U10.4 C54.1 v1(25.7,61.9) ; C38.1 16.21,80.9 16.6,81.29 16.6,81.39 17.11,81.9 R17.2 17.12,82.62 v1(17.1,82.65) ; v1(8.9,60.9) R18.2 8.45,61.58 8.42,61.6 C42.1 ; v1(29.7,61.9) C56.1 ; U8.3 U8.4 ; R30.2 v1(22.5,75.7) ; v1(20.7,67.7) 21.23,67.18 R58.2 ; U5.122 v1(5.2,67.8)
  TOP w0.2: C36.1 2.4,71.4 U5.113 4.7,71.4 v1(5,71.7) ; 15.5,62.5 15.3,62.7 U5.26 ; 15.5,62.5 16.1,63.1 U5.28 ; 15.5,62.5 C35.1 v1(15.5,61.85) ; U5.7 U5.8 8.1,62.7 C41.1 C42.1 ; U5.90 7.7,80.3 v1(7.6,80.4) ; U5.79 v1(12.1,80.36) ; v1(20.6,80.9) R31.2 20,80.9 ; v1(21.9,79) R39.1 R27.1 ; v1(20.7,67.7) 20.6,67.8 U5.39 ; U5.122 v1(2.74,67.8) ; U9.3 U9.4 ; 16.2,80.94 C38.1 16.2,80.45 16.1,80.35 U5.69 ; U5.16 11.3,63.02 v1(11.5,62.82) ; U10.3 U10.4 ; 19.2,71 v1(20.26,71) ; U5.52 U5.51 C39.1 C40.1 v1(22.5,72.6)
  TOP w0.3: C56.1 U9.4 ; P10.1 49.9,61.2 46.7,64.4 37.6,64.4 35.1,61.9 v1(29.7,61.9) ; v1(21.7,61.9) C52.1 U8.4 ; U7.3 U7.4 C49.1 v1(11.7,82.3) ; v1(15.5,61.85) 15.5,58.2 P4.17
  L3 w0.3: 17.6,63.5 19.2,61.9 v1(21.7,61.9) v1(25.7,61.9) 26.99,61.9 27.09,62 27.5,62 27.6,61.9 v1(29.7,61.9)
  L3 w0.5: 15.2,61.2 15.23,61.2 ; v1(16.6,85.5) 16.6,83.1
  vias: v1(2,82.4)
